# KiCad board mtk64_R_rev2.kicad_pcb (continued)
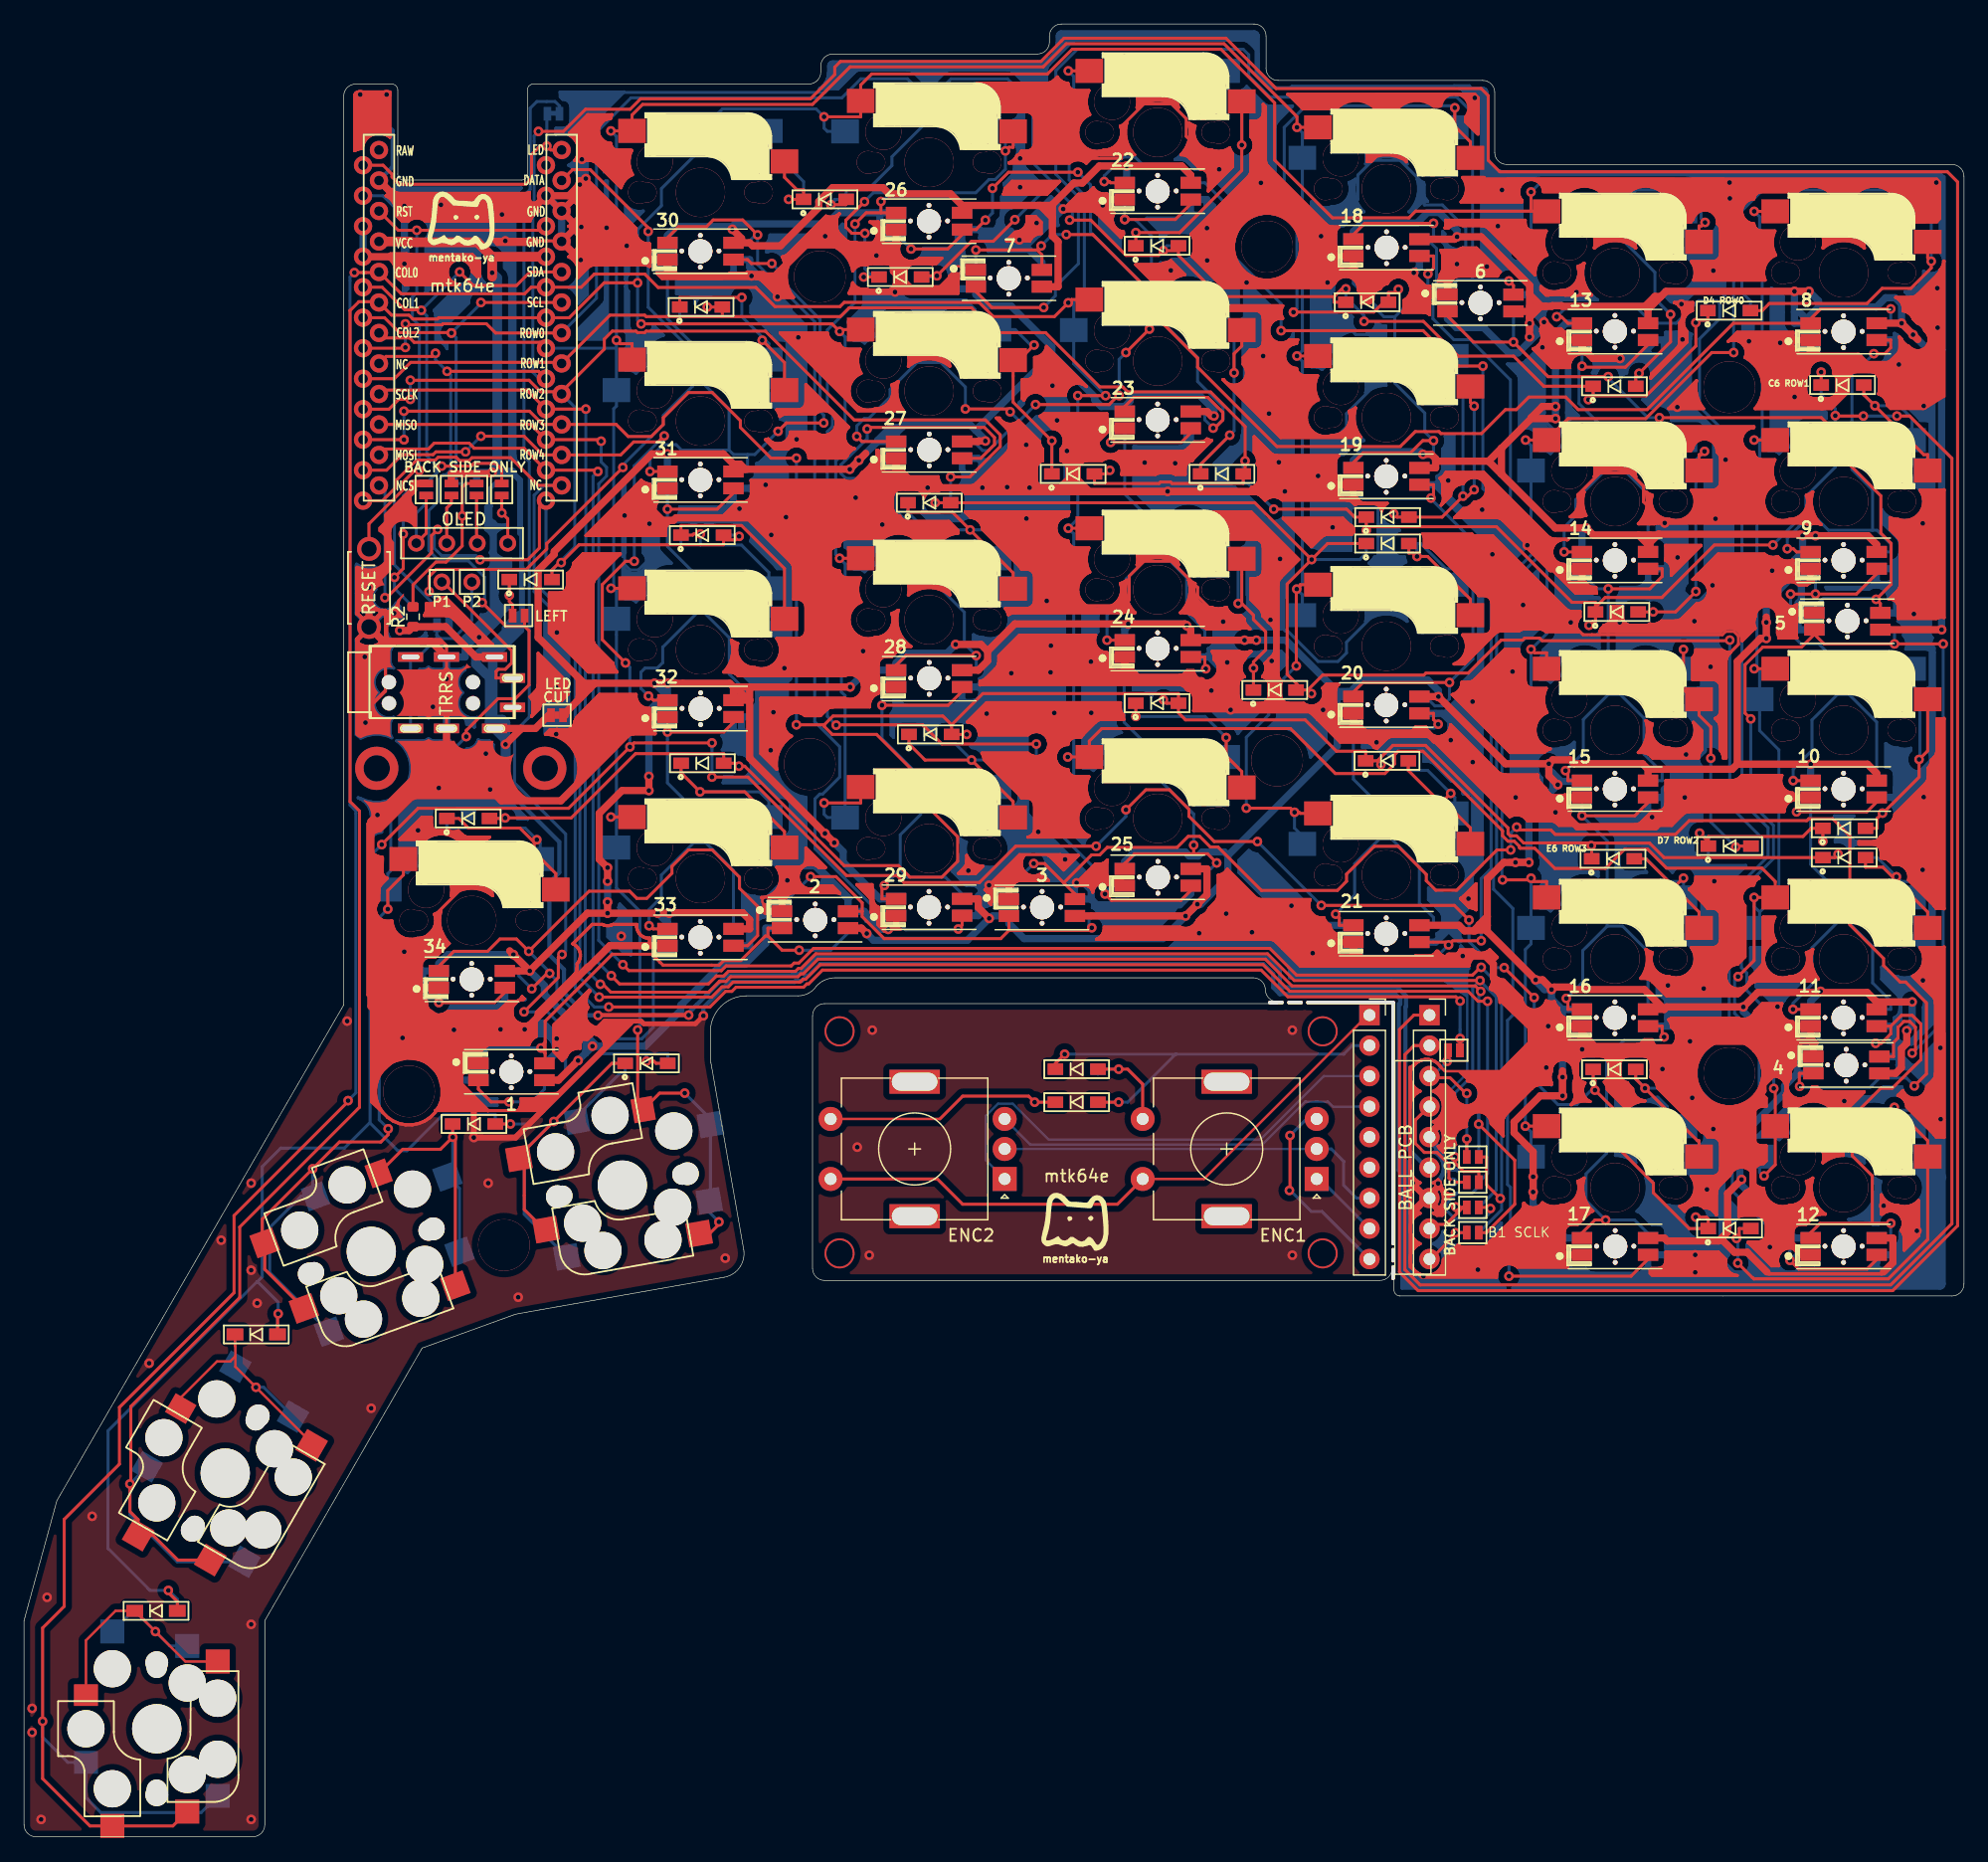
[diagram p0: board, top side]
## Routing (per net, layer and track width the routed paths; a pad name or vN(x,y) marks a point on that pad's centre or on a via; arc(x,y) is an arc through that point) (continued)
144.68,56.05 ; 144.88,56.08 144.94,56.08 ; 144.68,56.05 144.49,55.97 ; 144.68,56.05 144.49,55.97 ; 104.21,100.34 104.21,100.38 ; 104.21,100.34 104.21,98.91 ; 104.21,100.34 104.21,98.91 ; 104.21,100.34 104.21,100.38 ; 104.21,100.38 104.21,100.41 ; 104.21,100.38 104.21,100.41 ; 46.24,73.92 46.12,74.09 ; 46.24,73.92 46.12,74.09 ; 46.24,73.92 46.32,73.73 ; 46.24,73.92 46.32,73.73 ; 46.12,74.09 45.98,74.23 ; 46.12,74.09 45.98,74.23 ; 35.39,74.39 35.32,74.33 ; 35.39,74.39 35.43,74.41 ; 35.39,74.39 35.32,74.33 ; 35.39,74.39 35.43,74.41 ; 35.32,74.33 35.27,74.3 ; 35.32,74.33 35.27,74.3 ; 28.36,102.38 28.06,102.27 ; 28.36,102.38 28.68,102.42 ; 28.36,102.38 28.68,102.42 ; 28.36,102.38 28.06,102.27 ; 28.06,102.27 27.88,102.18 ; 28.06,102.27 27.88,102.18 ; 118.79,53.39 118.62,53.28 ; 118.79,53.39 118.62,53.28 ; 118.79,53.39 118.98,53.47 ; 118.79,53.39 118.98,53.47 ; 118.62,53.28 118.48,53.13 ; 118.62,53.28 118.48,53.13 ; 47.67,104.87 47.64,104.85 ; 47.67,104.87 47.64,104.85 ; 47.67,104.87 49.56,106.76 ; 47.67,104.87 49.56,106.76 ; 47.64,104.85 47.62,104.82 ; 47.64,104.85 47.62,104.82 ; 144.3,101.96 144.24,101.78 ; 144.3,101.96 144.38,102.12 ; 144.3,101.96 144.38,102.12 ; 144.3,101.96 144.24,101.78 ; 144.24,101.78 144.23,101.65 ; 144.24,101.78 144.23,101.65 ; 83.68,83.28 83.8,83.32 ; 83.68,83.28 83.63,83.27 ; 83.68,83.28 83.63,83.27 ; 83.68,83.28 83.8,83.32 ; 83.8,83.32 83.91,83.37 ; 83.8,83.32 83.91,83.37 ; 129.52,104.49 129.68,104.65 ; 129.52,104.49 128.96,104.49 ; 129.52,104.49 129.68,104.65 ; 129.52,104.49 128.96,104.49 ; 129.68,104.65 129.68,105.5 ; 129.68,104.65 129.68,105.5 ; 128.33,49.1 128.32,48.98 ; 128.33,49.1 128.32,48.98 ; 128.33,49.1 128.36,49.18 ; 128.33,49.1 128.36,49.18 ; 128.32,48.98 128.33,48.76 ; 128.32,48.98 128.33,48.76 ; 63.52,130.22 63.52,129.68 ; 63.52,130.22 63.52,129.68 ; 63.52,130.22 63.63,130.76 ; 63.52,130.22 63.63,130.76 ; 63.52,129.68 63.63,129.14 ; 63.52,129.68 63.63,129.14 ; 119.2,49.01 119.23,49.04 ; 119.2,49.01 119.14,48.96 ; 119.2,49.01 119.23,49.04 ; 119.2,49.01 119.14,48.96 ; 135.14,73.92 135.36,73.77 ; 135.14,73.92 135.36,73.77 ; 35.78,79.51 35.57,79.42 ; 35.78,79.51 35.57,79.42 ; 52.23,92.42 52.31,92.32 ; 52.23,92.42 52.17,92.53 ; 52.23,92.42 52.17,92.53 ; 52.23,92.42 52.31,92.32 ; 52.31,92.32 52.41,92.25 ; 52.31,92.32 52.41,92.25 ; 129.94,67.67 129.94,67.65 ; 129.94,67.67 129.68,67.67 ; 129.94,67.67 129.68,67.67 ; 129.94,67.67 129.94,67.65 ; 129.94,67.65 129.96,67.65 ; 129.94,67.65 129.96,67.65 ; 114.81,129.9 114.61,129.94 ; 114.81,129.9 114.61,129.94 ; 114.61,129.94 114.41,129.94 ; 114.61,129.94 114.41,129.94 ; 110.8,108.72 110.8,108.71 ; 110.8,108.72 110.8,108.71 ; 110.8,108.72 110.8,108.93 ; 110.8,108.72 110.8,108.93 ; 110.8,108.71 110.73,108.65 ; 110.8,108.71 110.73,108.65 ; 63.29,76.94 63.03,76.94 ; 63.29,76.94 63.03,76.94 ; 101.58,123.23 101.97,123.62 ; 101.58,123.23 101.97,123.62 ; 101.58,123.23 101.58,122.65 ; 101.58,123.23 101.58,122.65 ; 101.97,123.62 102,123.64 ; 101.97,123.62 102,123.64 ; 86.4,115.57 86.44,115.62 ; 86.4,115.57 86.44,115.62 ; 86.4,115.57 86.4,114.63 ; 86.4,115.57 86.4,114.63 ; 86.44,115.62 86.55,115.79 ; 86.44,115.62 86.55,115.79 ; 144.75,62.44 144.75,62.23 ; 144.75,62.44 144.79,62.64 ; 144.75,62.44 144.79,62.64 ; 144.75,62.44 144.75,62.23 ; 144.75,62.23 144.79,62.03 ; 144.75,62.23 144.79,62.03 ; 72.47,110.3 72.55,110.2 ; 72.47,110.3 72.55,110.2 ; 72.55,110.2 72.65,110.12 ; 72.55,110.2 72.65,110.12 ; 147.76,64.86 147.6,64.7 ; 147.76,64.86 148.96,64.86 ; 147.76,64.86 148.96,64.86 ; 147.76,64.86 147.6,64.7 ; 147.6,64.7 147.6,64.49 ; 147.6,64.7 147.6,64.49 ; 58.16,129.83 58.19,129.83 ; 58.16,129.83 58.19,129.83 ; 58.16,129.83 58.13,129.83 ; 58.16,129.83 58.13,129.83 ; 58.19,129.83 58.3,129.84 ; 58.19,129.83 58.3,129.84 ; 42.9,135.43 42.83,135.39 ; 42.9,135.43 42.83,135.39 ; 42.83,135.39 42.6,135.24 ; 42.83,135.39 42.6,135.24 ; 135.63,111.66 135.67,111.75 ; 135.63,111.66 135.67,111.75 ; 117.95,64.25 118.03,64.13 117.95,64.25 ; 117.95,64.25 117.75,64.45 ; 117.95,64.25 117.75,64.45 ; 119.72,59.04 119.55,58.93 ; 119.72,59.04 119.91,59.12 ; 119.72,59.04 119.91,59.12 ; 119.72,59.04 119.55,58.93 ; 119.55,58.93 119.41,58.79 ; 119.55,58.93 119.41,58.79 ; 109.46,114.98 109.38,114.88 ; 109.46,114.98 109.54,115.05 ; 109.46,114.98 109.38,114.88 ; 109.46,114.98 109.54,115.05 ; 145.15,50.07 145.16,50.19 ; 145.15,50.07 145.11,49.95 ; 145.15,50.07 145.11,49.95 ; 145.15,50.07 145.16,50.19 ; 145.16,50.19 145.16,51.14 ; 145.16,50.19 145.16,51.14 ; 86.7,109.99 86.52,109.91 ; 86.7,109.99 86.52,109.91 ; 86.52,109.91 86.35,109.8 ; 86.52,109.91 86.35,109.8 ; 138.1,71.6 138.39,71.72 ; 138.1,71.6 137.8,71.54 ; 138.1,71.6 138.39,71.72 ; 138.1,71.6 137.8,71.54 ; 138.39,71.72 138.65,71.89 ; 138.39,71.72 138.65,71.89 ; 150.96,136.37 150.73,136.72 ; 150.96,136.37 151.12,135.98 ; 150.96,136.37 151.12,135.98 ; 150.96,136.37 150.73,136.72 ; 150.73,136.72 150.43,137.01 ; 150.73,136.72 150.43,137.01 ; 86.41,112.42 86.53,112.46 ; 86.41,112.42 86.53,112.46 ; 86.41,112.42 86.28,112.41 ; 86.41,112.42 86.28,112.41 ; 86.53,112.46 86.64,112.52 ; 86.53,112.46 86.64,112.52 ; 146.42,106.37 146.61,106.3 ; 146.42,106.37 146.25,106.49 ; 146.42,106.37 146.61,106.3 ; 146.42,106.37 146.25,106.49 ; 146.61,106.3 146.81,106.26 ; 146.61,106.3 146.81,106.26 ; 129.02,102.07 129.65,102.07 ; 129.02,102.07 128.98,102.06 ; 129.02,102.07 128.98,102.06 ; 129.02,102.07 129.65,102.07 ; 129.65,102.07 129.65,101.63 ; 129.65,102.07 129.65,101.63 ; 144.17,100.86 144.23,100.71 ; 144.17,100.86 144.13,101.06 ; 144.17,100.86 144.13,101.06 ; 144.17,100.86 144.23,100.71 ; 144.23,100.71 144.23,100.64 ; 144.23,100.71 144.23,100.64 ; 110.71,118.87 110.4,118.75 ; 110.71,118.87 110.4,118.75 ; 28.26,134.35 28.44,134.17 ; 28.26,134.35 28.25,134.33 ; 28.26,134.35 28.44,134.17 ; 28.26,134.35 28.25,134.33 ; 28.44,134.17 28.43,134.16 ; 28.44,134.17 28.43,134.16 ; 155.16,84.28 155.33,84.35 ; 155.16,84.28 155.16,84.04 ; 155.16,84.28 155.16,84.04 ; 155.16,84.28 155.33,84.35 ; 155.33,84.35 155.5,84.46 ; 155.33,84.35 155.5,84.46 ; 65.15,119.51 65.15,120.97 ; 65.15,119.51 65.15,120.97 ; 65.15,119.51 65.14,119.38 ; 65.15,119.51 65.14,119.38 ; 65.15,120.97 68.61,117.51 ; 65.15,120.97 68.61,117.51 ; 88.2,91.78 88.13,91.69 ; 88.2,91.78 88.13,91.69 ; 88.2,91.78 88.22,91.81 ; 88.2,91.78 88.22,91.81 ; 88.13,91.69 88.07,91.58 ; 88.13,91.69 88.07,91.58 ; 92.73,105.95 92.78,106.21 ; 92.73,105.95 92.78,106.21 ; 33.74,59.85 33.85,59.93 ; 33.74,59.85 33.39,59.62 ; 33.74,59.85 33.39,59.62 ; 33.74,59.85 33.85,59.93 ; 33.85,59.93 34.24,60.31 ; 33.85,59.93 34.24,60.31 ; 66.93,118.76 66.73,118.8 ; 66.93,118.76 66.73,118.8 ; 66.73,118.8 66.53,118.8 ; 66.73,118.8 66.53,118.8 ; 88,114.36 87.95,114.24 ; 88,114.36 87.95,114.24 ; 88,114.36 88.08,114.45 ; 88,114.36 88.08,114.45 ; 87.95,114.24 87.91,114.13 ; 87.95,114.24 87.91,114.13 ; 65.15,82.37 66.78,80.74 ; 65.15,82.37 66.78,80.74 ; 137.6,101.27 137.64,101.27 ; 137.6,101.27 137.56,101.27 ; 137.6,101.27 137.64,101.27 ; 137.6,101.27 137.56,101.27 ; 137.64,101.27 137.75,101.28 ; 137.64,101.27 137.75,101.28 ; 81.16,97.59 81.21,97.77 ; 81.16,97.59 81.07,97.43 ; 81.16,97.59 81.21,97.77 ; 81.16,97.59 81.07,97.43 ; 81.21,97.77 81.21,97.78 ; 81.21,97.77 81.21,97.78 ; 117.37,107.28 117.23,107.35 ; 117.37,107.28 117.48,107.19 ; 117.37,107.28 117.48,107.19 ; 117.37,107.28 117.23,107.35 ; 117.23,107.35 117.09,107.4 ; 117.23,107.35 117.09,107.4 ; 89.64,140.11 91.43,140.11 ; 89.64,140.11 91.43,140.11 ; 31.75,129.29 31.45,129.59 ; 31.75,129.29 36.28,129.29 ; 31.75,129.29 36.28,129.29 ; 31.75,129.29 31.45,129.59 ; 31.45,129.59 31.43,129.62 ; 31.45,129.59 31.43,129.62 ; 41.36,69.71 41.17,69.63 ; 41.36,69.71 41.17,69.63 ; 41.36,69.71 41.56,69.75 ; 41.36,69.71 41.56,69.75 ; 41.17,69.63 41,69.52 ; 41.17,69.63 41,69.52 ; 97.66,96.63 97.8,96.49 ; 97.66,96.63 97.55,96.8 ; 97.66,96.63 97.55,96.8 ; 97.66,96.63 97.8,96.49 ; 97.8,96.49 97.97,96.37 ; 97.8,96.49 97.97,96.37 ; 88.18,136.82 88.22,136.82 ; 88.18,136.82 88.22,136.82 ; 88.18,136.82 88.13,136.82 ; 88.18,136.82 88.13,136.82 ; 88.22,136.82 88.36,136.83 ; 88.22,136.82 88.36,136.83 ; 148.81,109.31 148.63,109.31 ; 148.81,109.31 148.96,109.37 ; 148.81,109.31 148.63,109.31 ; 148.81,109.31 148.96,109.37 ; 148.63,109.31 148.49,109.37 ; 148.63,109.31 148.49,109.37 ; 88.93,139.84 88.9,139.8 ; 88.93,139.84 88.9,139.8 ; 88.93,139.84 89.08,139.96 ; 88.93,139.84 89.08,139.96 ; 88.9,139.8 88.51,139.41 ; 88.9,139.8 88.51,139.41 ; 107.65,120.14 107.81,119.75 ; 107.65,120.14 107.56,120.56 ; 107.65,120.14 107.56,120.56 ; 107.65,120.14 107.81,119.75 ; 107.81,119.75 107.85,119.7 ; 107.81,119.75 107.85,119.7 ; 159.97,93.16 159.97,77.3 ; 159.97,93.16 159.97,77.3 ; 159.97,93.16 159.88,93.13 ; 159.97,93.16 159.88,93.13 ; 159.97,77.3 159.88,77.33 ; 159.97,77.3 159.88,77.33 ; 126.6,90.32 123.82,90.32 ; 126.6,90.32 126.7,90.36 ; 126.6,90.32 126.7,90.36 ; 126.6,90.32 123.82,90.32 ; 123.82,90.32 119,95.14 ; 123.82,90.32 119,95.14 ; 106.13,121.99 106.21,121.89 ; 106.13,121.99 106.21,121.89 ; 106.13,121.99 106.07,122.1 ; 106.13,121.99 106.07,122.1 ; 106.21,121.89 106.31,121.82 ; 106.21,121.89 106.31,121.82 ; 135.39,64.85 135.29,64.93 ; 135.39,64.85 135.29,64.93 ; 135.39,64.85 135.47,64.75 ; 135.39,64.85 135.47,64.75 ; 135.29,64.93 135.18,64.99 ; 135.29,64.93 135.18,64.99 ; 68.08,132.11 67.62,132.42 ; 68.08,132.11 68.47,131.73 ; 68.08,132.11 68.47,131.73 ; 68.08,132.11 67.62,132.42 ; 67.62,132.42 67.12,132.63 ; 67.62,132.42 67.12,132.63 ; 154.29,121.93 154.18,121.99 ; 154.29,121.93 154.18,121.99 ; 154.18,121.99 154.06,122.03 ; 154.18,121.99 154.06,122.03 ; 29.27,77.38 29.27,77.17 ; 29.27,77.38 29.27,77.17 ; 29.27,77.17 29.31,76.97 ; 29.27,77.17 29.31,76.97 ; 121.48,113.01 121.31,113.13 ; 121.48,113.01 121.63,112.87 ; 121.48,113.01 121.31,113.13 ; 121.48,113.01 121.63,112.87 ; 121.31,113.13 121.12,113.2 ; 121.31,113.13 121.12,113.2 ; 84.15,105.2 84.09,105.31 ; 84.15,105.2 84.19,105.08 ; 84.15,105.2 84.09,105.31 ; 84.15,105.2 84.19,105.08 ; 33.07,70.44 33.07,70.23 ; 33.07,70.44 33.23,70.6 ; 33.07,70.44 33.23,70.6 ; 33.07,70.44 33.07,70.23 ; 33.07,70.23 33.08,70.1 ; 33.07,70.23 33.08,70.1 ; 41.26,69.69 41.36,69.77 ; 41.26,69.69 41.15,69.64 ; 41.26,69.69 41.36,69.77 ; 41.26,69.69 41.15,69.64 ; 41.36,69.77 41.44,69.87 ; 41.36,69.77 41.44,69.87 ; 101.1,133.77 100.89,133.26 ; 101.1,133.77 101.4,134.23 ; 101.1,133.77 101.4,134.23 ; 101.1,133.77 100.89,133.26 ; 100.89,133.26 100.78,132.72 ; 100.89,133.26 100.78,132.72 ; 31.77,74.8 32.07,74.74 ; 31.77,74.8 32.07,74.74 ; 31.77,74.8 31.48,74.92 ; 31.77,74.8 31.48,74.92 ; 32.07,74.74 32.39,74.74 ; 32.07,74.74 32.39,74.74 ; 135.94,109.41 135.81,109.37 ; 135.94,109.41 135.81,109.37 ; 135.94,109.41 135.96,109.42 ; 135.94,109.41 135.96,109.42 ; 135.81,109.37 135.81,109.37 ; 135.81,109.37 135.81,109.37 ; 105.02,123.45 105.02,123.24 ; 105.02,123.45 105.02,123.24 ; 105.02,123.45 105.06,123.65 ; 105.02,123.45 105.06,123.65 ; 105.02,123.24 105.06,123.04 ; 105.02,123.24 105.06,123.04 ; 69.06,115.58 68.9,115.46 ; 69.06,115.58 69.19,115.63 ; 69.06,115.58 69.19,115.63 ; 69.06,115.58 68.9,115.46 ; 68.9,115.46 68.75,115.32 ; 68.9,115.46 68.75,115.32 ; 125.52,68.91 125.72,68.87 ; 125.52,68.91 125.33,68.99 ; 125.52,68.91 125.72,68.87 ; 125.52,68.91 125.33,68.99 ; 125.72,68.87 125.92,68.87 ; 125.72,68.87 125.92,68.87 ; 63.7,93.43 63.87,93.54 ; 63.7,93.43 63.87,93.54 ; 145.11,49.95 145.06,49.84 ; 145.11,49.95 145.06,49.84 ; 141.24,58.01 141.16,58.11 ; 141.24,58.01 141.16,58.11 ; 141.24,58.01 141.3,57.9 ; 141.24,58.01 141.3,57.9 ; 44.79,132.71 44.78,132.69 ; 44.79,132.71 44.78,132.69 ; 44.79,132.71 45.58,131.92 ; 44.79,132.71 45.58,131.92 ; 44.78,132.69 44.6,132.87 ; 44.78,132.69 44.6,132.87 ; 159.88,58.28 159.76,58.29 ; 159.88,58.28 159.76,58.29 ; 159.88,58.28 159.97,58.25 ; 159.88,58.28 159.97,58.25 ; 159.76,58.29 159.3,58.29 ; 159.76,58.29 159.3,58.29 ; 122.23,70.84 122.31,71.02 ; 122.23,70.84 122.16,70.74 ; 122.23,70.84 122.31,71.02 ; 122.23,70.84 122.16,70.74 ; 122.31,71.02 122.34,71.22 ; 122.31,71.02 122.34,71.22 ; 90.22,97.99 90.22,97.78 ; 90.22,97.99 90.38,98.15 ; 90.22,97.99 90.38,98.15 ; 90.22,97.99 90.22,97.78 ; 90.22,97.78 81.21,97.78 ; 90.22,97.78 81.21,97.78 ; 90.22,97.78 90.23,97.65 ; 90.22,97.78 90.23,97.65 ; 90.22,97.78 81.21,97.78 ; 90.22,97.78 81.21,97.78 ; 110.63,130.7 110.63,131.55 ; 110.63,130.7 110.47,130.54 ; 110.63,130.7 110.47,130.54 ; 110.63,130.7 110.63,131.55 ; 110.63,131.55 109.43,131.55 ; 110.63,131.55 109.43,131.55 ; 66.93,125.26 66.96,125.09 ; 66.93,125.26 63,125.26 ; 66.93,125.26 63,125.26 ; 66.93,125.26 66.96,125.09 ; 120.86,111.17 120.92,111.17 ; 120.86,111.17 120.84,111.16 ; 120.86,111.17 120.84,111.16 ; 120.86,111.17 120.92,111.17 ; 120.92,111.17 121.12,111.21 ; 120.92,111.17 121.12,111.21 ; 104.85,74.03 109.27,74.03 ; 104.85,74.03 104.36,74.51 ; 104.85,74.03 109.27,74.03 ; 104.85,74.03 109.27,74.03 ; 104.85,74.03 109.27,74.03 ; 104.85,74.03 104.36,74.51 ; 109.27,74.03 109.28,73.9 ; 109.27,74.03 109.28,74.24 ; 109.27,74.03 109.28,74.24 ; 109.27,74.03 109.28,73.9 ; 149.24,65.12 149.24,64.86 ; 149.24,65.12 149.22,65.12 ; 149.24,65.12 149.22,65.12 ; 149.24,65.12 149.24,64.86 ; 149.24,64.86 149.22,64.86 ; 149.24,64.86 149.22,64.86 ; 128.21,68.29 128.34,68.22 ; 128.21,68.29 128.34,68.22 ; 139.07,134.78 139.06,134.75 ; 139.07,134.78 139.06,134.75 ; 139.07,134.78 139.14,134.97 ; 139.07,134.78 139.14,134.97 ; 139.06,134.75 139.02,134.72 ; 139.06,134.75 139.02,134.72 ; 155.16,52.92 155.41,52.76 ; 155.16,52.92 155.41,52.76 ; 141.16,112.35 141.24,112.45 ; 141.16,112.35 141.24,112.45 ; 141.16,112.35 141.06,112.28 ; 141.16,112.35 141.06,112.28 ; 141.24,112.45 141.3,112.56 ; 141.24,112.45 141.3,112.56 ; 63.11,130.39 63.22,130.56 ; 63.11,130.39 62.96,130.25 ; 63.11,130.39 63.22,130.56 ; 63.11,130.39 62.96,130.25 ; 144.91,76.61 145.88,76.61 ; 144.91,76.61 144.91,73.03 ; 144.91,76.61 144.91,73.03 ; 144.91,76.61 145.88,76.61 ; 145.88,76.61 145.75,76.29 ; 145.88,76.61 145.75,76.29 ; 65.04,80.89 64.87,80.78 ; 65.04,80.89 65.23,80.97 ; 65.04,80.89 64.87,80.78 ; 65.04,80.89 65.23,80.97 ; 64.87,80.78 64.73,80.64 ; 64.87,80.78 64.73,80.64 ; 62.98,118.31 62.96,118.39 ; 62.98,118.31 62.96,118.39 ; 62.98,118.31 63.04,118.36 ; 62.98,118.31 63.04,118.36 ; 62.96,118.39 62.84,118.68 ; 62.96,118.39 62.84,118.68 ; 134.24,113.56 134.29,113.3 ; 134.24,113.56 134.24,113.98 ; 134.24,113.56 134.24,113.98 ; 134.24,113.56 134.29,113.3 ; 116.47,64.7 116.21,64.6 ; 116.47,64.7 116.73,64.76 ; 116.47,64.7 116.21,64.6 ; 116.47,64.7 116.73,64.76 ; 116.21,64.6 115.99,64.45 ; 116.21,64.6 115.99,64.45 ; 135.14,100.91 135.26,100.92 ; 135.14,100.91 133.84,100.91 ; 135.14,100.91 135.26,100.92 ; 135.14,100.91 133.84,100.91 ; 135.26,100.92 135.38,100.96 ; 135.26,100.92 135.38,100.96 ; 109.46,134.03 109.38,133.93 ; 109.46,134.03 109.54,134.09 ; 109.46,134.03 109.38,133.93 ; 109.46,134.03 109.54,134.09 ; 109.38,133.93 109.32,133.82 ; 109.38,133.93 109.32,133.82 ; 108.99,116.74 109.16,116.74 ; 108.99,116.74 109.16,116.74 ; 108.99,116.74 108.89,116.7 ; 108.99,116.74 108.89,116.7 ; 109.16,116.74 109.44,116.8 ; 109.16,116.74 109.44,116.8 ; 108.26,95.52 108.19,95.68 ; 108.26,95.52 108.3,95.32 ; 108.26,95.52 108.3,95.32 ; 108.26,95.52 108.19,95.68 ; 108.19,95.68 108.52,96.01 ; 108.19,95.68 108.52,96.01 ; 46.82,108.39 51.43,112.99 ; 46.82,108.39 53.45,108.39 ; 46.82,108.39 51.43,112.99 ; 46.82,108.39 53.45,108.39 ; 51.43,112.99 51.5,112.92 ; 51.43,112.99 51.5,112.92 ; 96.46,115.39 96.42,115.39 ; 96.46,115.39 96.42,115.39 ; 38.19,80.04 38.49,79.75 ; 38.19,80.04 37.96,80.39 ; 38.19,80.04 38.49,79.75 ; 38.19,80.04 37.96,80.39 ; 38.49,79.75 38.84,79.51 ; 38.49,79.75 38.84,79.51 ; 149.32,101.82 149.3,101.82 ; 149.32,101.82 149.32,102.08 ; 149.32,101.82 149.32,102.08 ; 149.32,101.82 149.3,101.82 ; 149.3,101.82 149.3,101.8 ; 149.3,101.82 149.3,101.8 ; 139.04,110.47 139.16,110.76 ; 139.04,110.47 139.16,110.76 ; 139.04,110.47 138.87,110.22 ; 139.04,110.47 138.87,110.22 ; 139.16,110.76 139.22,111.07 ; 139.16,110.76 139.22,111.07 ; 74.23,108.11 73.88,108.35 ; 74.23,108.11 74.53,107.82 ; 74.23,108.11 73.88,108.35 ; 74.23,108.11 74.53,107.82 ; 72.37,75.59 72.53,75.75 ; 72.37,75.59 71.97,75.59 ; 72.37,75.59 72.53,75.75 ; 72.37,75.59 71.97,75.59 ; 72.53,75.75 72.53,76.6 ; 72.53,75.75 72.53,76.6 ; 32.62,134.86 32.42,134.82 ; 32.62,134.86 32.42,134.82 ; 83.68,102.33 83.8,102.37 ; 83.68,102.33 83.8,102.37 ; 83.68,102.33 83.56,102.32 ; 83.68,102.33 83.56,102.32 ; 83.8,102.37 83.91,102.43 ; 83.8,102.37 83.91,102.43 ; 71.28,133.02 71.36,132.92 ; 71.28,133.02 71.36,132.92 ; 71.28,133.02 71.22,133.13 ; 71.28,133.02 71.22,133.13 ; 71.36,132.92 71.46,132.85 ; 71.36,132.92 71.46,132.85 ; 145.13,110.47 145.3,110.22 ; 145.13,110.47 145.01,110.76 ; 145.13,110.47 145.3,110.22 ; 145.13,110.47 145.01,110.76 ; 101.88,112.02 102.01,112.09 ; 101.88,112.02 101.73,111.98 ; 101.88,112.02 102.01,112.09 ; 101.88,112.02 101.73,111.98 ; 102.01,112.09 102.05,112.13 ; 102.01,112.09 102.05,112.13 ; 144.13,134.36 144.13,134.27 ; 144.13,134.36 144.05,134.36 ; 144.13,134.36 144.13,134.27 ; 144.13,134.36 144.05,134.36 ; 144.13,134.27 144.17,134.15 ; 144.13,134.27 144.17,134.15 ; 99.46,97.59 99.38,97.78 ; 99.46,97.59 99.5,97.39 ; 99.46,97.59 99.38,97.78 ; 99.46,97.59 99.5,97.39 ; 99.38,97.78 99.27,97.95 ; 99.38,97.78 99.27,97.95 ; 137.95,52.52 138.1,52.55 ; 137.95,52.52 138.37,52.11 ; 137.95,52.52 138.1,52.55 ; 137.95,52.52 138.37,52.11 ; 138.1,52.55 138.39,52.67 ; 138.1,52.55 138.39,52.67 ; 148.01,109.44 136.22,109.44 ; 148.01,109.44 148.06,109.44 ; 148.01,109.44 136.22,109.44 ; 148.01,109.44 148.06,109.44 ; 136.22,109.44 136.17,109.44 ; 136.22,109.44 136.17,109.44 ; 82.6,101.96 82.55,101.97 ; 82.6,101.96 82.55,101.97 ; 82.6,101.96 91.56,101.96 ; 82.6,101.96 91.56,101.96 ; 82.55,101.97 82.37,101.95 ; 82.55,101.97 82.37,101.95 ; 61.4,94.63 61.4,94.68 ; 61.4,94.63 61.4,90.24 ; 61.4,94.63 61.4,90.24 ; 61.4,94.63 61.4,94.68 ; 61.4,94.68 61.4,94.72 ; 61.4,94.68 61.4,94.72 ; 90.22,79.55 90.17,79.57 ; 90.22,79.55 90.17,79.57 ; 90.38,98.4 91.58,98.4 ; 90.38,98.4 90.22,98.56 ; 90.38,98.4 90.22,98.56 ; 90.38,98.4 91.58,98.4 ; 91.58,98.4 91.58,98.42 ; 91.58,98.4 91.58,98.42 ; 94.95,131.09 94.95,131.09 ; 94.95,131.09 94.95,131.09 ; 142.91,70.62 143.11,70.66 ; 142.91,70.62 143.11,70.66 ; 64.26,115.87 64.06,115.83 ; 64.26,115.87 64.46,115.87 ; 64.26,115.87 64.46,115.87 ; 64.26,115.87 64.06,115.83 ; 64.06,115.83 63.87,115.76 ; 64.06,115.83 63.87,115.76 ; 114.86,126.99 114.87,127 ; 114.86,126.99 116.56,126.99 ; 114.86,126.99 116.56,126.99 ; 114.86,126.99 114.87,127 ; 114.87,127 114.92,127.11 ; 114.87,127 114.92,127.11 ; 109.56,96.01 109.46,95.93 ; 109.56,96.01 109.46,95.93 ; 109.56,96.01 109.56,96.01 ; 109.56,96.01 109.56,96.01 ; 109.46,95.93 109.38,95.83 ; 109.46,95.93 109.38,95.83 ; 125.9,92.02 125.96,91.71 ; 125.9,92.02 125.96,91.71 ; 125.96,91.71 126.08,91.42 ; 125.96,91.71 126.08,91.42 ; 109.43,131.55 109.28,131.39 ; 109.43,131.55 109.28,131.39 ; 109.28,131.39 109.27,131.18 ; 109.28,131.39 109.27,131.18 ; 128.72,104.54 128.84,104.5 ; 128.72,104.54 128.84,104.5 ; 128.84,104.5 128.96,104.49 ; 128.84,104.5 128.96,104.49 ; 88.53,120.81 88.5,120.81 ; 88.53,120.81 88.5,120.81 ; 88.53,120.81 85.19,124.14 ; 88.53,120.81 85.19,124.14 ; 88.5,120.81 88.46,120.85 ; 88.5,120.81 88.46,120.85 ; 92.17,96.93 92.27,96.84 ; 92.17,96.93 92.08,97.04 ; 92.17,96.93 92.27,96.84 ; 92.17,96.93 92.08,97.04 ; 92.27,96.84 92.39,96.78 ; 92.27,96.84 92.39,96.78 ; 48.47,74.06 48.45,74.03 ; 48.47,74.06 48.5,74.08 ; 48.47,74.06 48.5,74.08 ; 48.47,74.06 48.45,74.03 ; 48.45,74.03 45.41,71 ; 48.45,74.03 45.41,71 ; 117.56,73.57 117.64,73.67 ; 117.56,73.57 117.64,73.67 ; 125.33,68.99 125.16,69.1 ; 125.33,68.99 125.16,69.1 ; 87.15,139.46 87.1,139.42 ; 87.15,139.46 87.1,139.42 ; 87.15,139.46 87.31,139.57 ; 87.15,139.46 87.31,139.57 ; 87.1,139.42 82.08,139.42 ; 87.1,139.42 82.08,139.42 ; 47.42,104.38 47.42,104.31 ; 47.42,104.38 47.42,104.31 ; 47.42,104.38 47.43,104.46 ; 47.42,104.38 47.43,104.46 ; 47.42,104.31 47.42,104.27 ; 47.42,104.31 47.42,104.27 ; 115.8,47.25 115.99,47.05 ; 115.8,47.25 115.64,47.47 ; 115.8,47.25 115.99,47.05 